# Altium PCB V5+_BASE_RC01.PcbDoc (part 1 of 2) (continued)
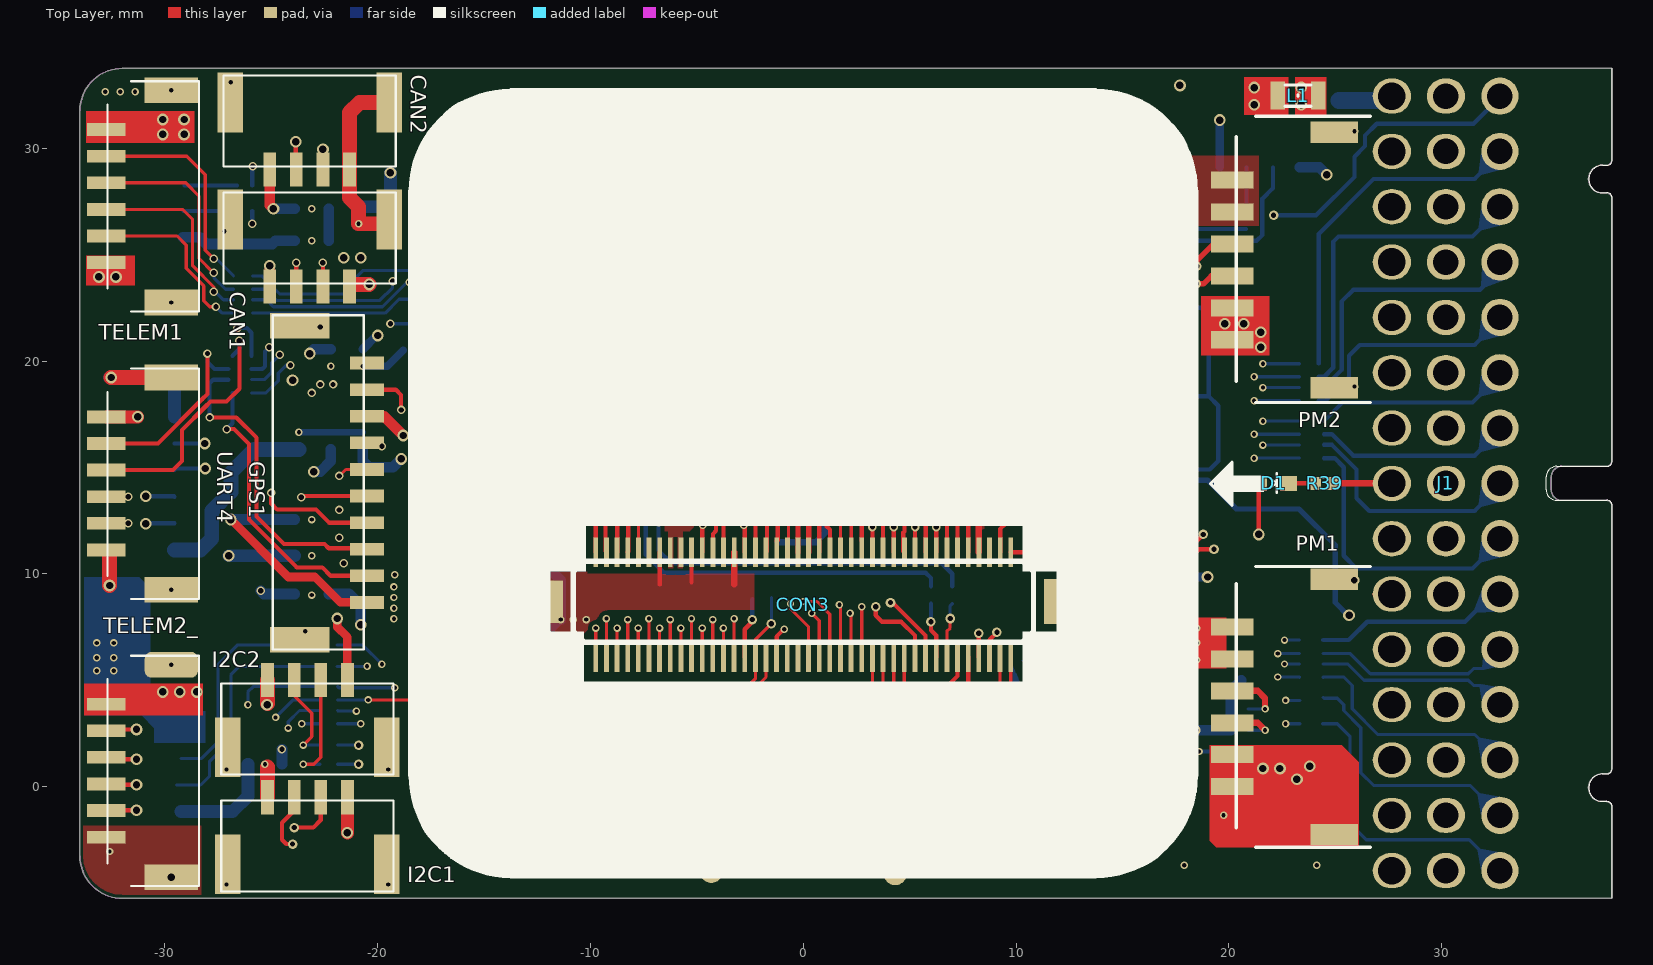
[diagram p0: Top Layer view]
## Footprints (in the part's own frame and the unit in brackets; to place one, negate y for a bottom-side part, rotate by r counter-clockwise, add the part's x,y. Pads: shape width x height; smd on the part's side, far side on the other; paste and mask are expansions set on the pad)
0402_4r [mm]
  rect 0.525x0.5 smd: 1(-0.85,-0.425) 4(0.9,-0.425) 5(0.9,0.475) 8(-0.85,0.475)
  rect 0.25x0.5 smd: 2(-0.225,-0.425) 3(0.275,-0.425) 6(0.275,0.475) 7(-0.225,0.475)
  silkscreen extent -0.93,-0.08 0.97,0.12, body extent -0.97,-0.5 1.03,0.5, height 0.45
0402C [mm]
  rect 0.5x0.6 smd: 1(-0.41,0) 2(0.41,0)
  silkscreen extent -0.1,-0.25 0.1,0.25, body extent -0.5,-0.25 0.5,0.25, height 0.5
0402CAP#1 [mm]
  rect 0.5x0.6 smd: 1(-0.45,0) 2(0.45,0)
  silkscreen extent -0.18,-0.23 0.17,0.23, body extent -0.5,-0.25 0.5,0.25, height 0.5
0402CAP#2 [mm]
  rect 0.5x0.6 smd: 1(-0.41,0) 2(0.41,0)
  silkscreen extent -0.1,-0.25 0.1,0.25, body extent -0.5,-0.25 0.5,0.25, height 0.5
0402R#1 [mm]
  rect 0.5x0.6 smd: 1(-0.41,0) 2(0.41,0)
  silkscreen extent -0.13,-0.27 0.14,0.28, body extent -0.5,-0.25 0.5,0.25, height 0.3
0402R#2 [mm]
  rect 0.5x0.6 smd: 1(-0.45,0) 2(0.45,0)
  silkscreen extent -0.13,-0.27 0.14,0.28, body extent -0.51,-0.25 0.49,0.25, height 0.3
0402R-SR [mm]
  rect 0.4x0.6 smd: 1(0,0) 2(-0.8,0) 3(0.8,0)
  body extent -0.95,-0.25 0.05,0.25, height 0.3
0603-LED-RED [mm]
  rect 0.8x0.7 smd: 1(-0.7,0) 2(0.7,0)
  silkscreen extent -0.16,-0.44 0.15,0.48, body extent -0.81,-0.37 0.81,0.43, height 0.6
0805CAP#1 [mm]
  rect 0.9x1.3 smd: 1(-0.85,-0.025) 2(0.85,-0.025)
  silkscreen extent -0.55,-0.6 0.55,0.55, body extent -1,-0.62 1,0.58, height 1.2
0805CAP#2 [mm]
  rect 0.9x1.3 smd: 1(-0.85,0) 2(0.85,0)
  silkscreen extent -0.55,-0.57 0.55,0.57, body extent -1,-0.6 1,0.6, height 1.2
0805l [mm]
  rect 0.7x1.3 smd: 1(-0.95,0.025) 2(0.95,0.025)
  silkscreen extent -0.6,-0.47 0.6,0.53, body extent -0.97,-0.6 1.03,0.65, height 0.45
1206-8 [mm]
  rect 0.35x0.65 smd: 1(-0.983,-1.027) 2(-0.333,-1.027) 3(0.317,-1.027) 4(0.967,-1.027) 5(-0.983,0.855) 6(-0.333,0.855) 7(0.317,0.855) 8(0.967,0.855)
  silkscreen extent -1.52,-1 1.53,0.83, body extent -1.56,-1.19 1.54,1.01, height 1.1
7343CAP [mm]
  rect 2x2.5 smd: A(-2.903,0) C(2.903,0)
  silkscreen extent -4.53,-2.2 4.53,2.2, body extent -3.63,-2.12 3.67,2.18, height 2.25
1054500101 [mm]
  oval 1.1x2.6 / inner oval 0.8x2.1 / far side oval 1.1x2.6 hole 0.4 slot 1.9 at 90 deg: 0(-4.32,-2.235)
  oval 1.1x2.1 / inner oval 1.1x2.1 / far side oval 0.9x1.8 hole 0.4 slot 1.4 at 90 deg: 0(-4.32,3.125) 0(4.32,3.125)
  oval 1.1x2.4 hole 0.4 slot 1.9 at 90 deg: 0(4.32,-2.235)
  rect 0.3x0.9 smd: A1(-3,3.535) A2(-2.5,3.535) A3(-2,3.535) A4(-1.5,3.535) A6(-0.5,3.535) A7(0.5,3.535) A9(1.5,3.535) A10(2,3.535) A11(2.5,3.535) A12(3,3.535)
  rect 0.25x0.9 smd: A5(-1,3.535) A8(1,3.535)
  rect 0.85x0.7 smd: B1(3.05,2.235) B12(-3.05,2.235)
  rect 0.3x0.7 smd: B2(2.25,2.235) B3(1.75,2.235) B4(1.25,2.235) B5(0.75,2.235) B6(0.25,2.235) B7(-0.25,2.235) B8(-0.75,2.235) B9(-1.25,2.235) B10(-1.75,2.235) B11(-2.25,2.235)
  body extent -4.47,-4.16 4.47,3.74, height 3.23
5054050660#1 [mm]
  rect 1.9x1 on Top Solder: 0(-2.125,4) 0(2.125,4)
  rect 0.8x2 smd: 1(-3.75,-2.1) 2(-2.25,-2.1) 3(-0.75,-2.1) 4(0.75,-2.1) 5(2.25,-2.1) 6(3.75,-2.1)
  rect 1x2.25 smd: 6(-6,2.7) 6(6,2.7)
  silkscreen extent -6.6,-1.9 6.6,4.4, body extent -6.65,-2.9 6.65,4.5, height 7.33
5054050660#2 [mm]
  rect 1.9x1 on Top Solder: 0(-2.125,4) 0(2.125,4)
  rect 0.8x2 smd: 1(-3.75,-2.1) 2(-2.25,-2.1) 3(-0.75,-2.1) 4(0.75,-2.1) 5(2.25,-2.1) 6(3.75,-2.1)
  rect 1x2.25 smd: 5(-6,2.7) 6(6,2.7)
  silkscreen extent -6.75,-1.9 6.7,4.4, body extent -6.65,-2.9 6.65,4.5, height 7.33
BM04B-GHS_DC [mm]
  rect 0.6x1.6 smd: 1(1.825,2.25) 2(0.575,2.25) 3(-0.675,2.25) 4(-1.925,2.25)
  rect 1.2x2.8 smd: M1(3.675,-0.9) M2(-3.8,-0.9)
  silkscreen extent -4.1,-2.18 4,2.1, body extent -4.17,-2.2 4.08,2.75, height 4.18
BM06B-GHS_DC#1 [mm]
  rect 0.6x1.8 smd: 1(3.125,1.25) 2(1.875,1.25) 3(0.625,1.25) 4(-0.625,1.25) 5(-1.875,1.25) 6(-3.125,1.25)
  rect 1.2x2.5 smd: M1(4.975,-1.8) M2(-5,-1.8)
  silkscreen extent -5.43,-3.1 5.4,1.2, body extent -5.39,-3.1 5.36,1.85, height 4.2
BM06B-GHS_DC#2 [mm]
  rect 0.6x1.8 smd: 1(3.125,1.25) 2(1.875,1.25) 3(0.625,1.25) 4(-0.625,1.25) 5(-1.875,1.25) 6(-3.125,1.25)
  rrect50% 1.2x2.5 smd: M1(4.975,-1.8)
  rect 1.2x2.5 smd: M2(-5,-1.8)
  silkscreen extent -5.43,-3.1 5.4,1.2, body extent -5.39,-3.1 5.36,1.85, height 4.2
BM10B-GHS [mm]
  rect 0.6x1.6 smd: 1(-5.596,-0.994) 2(-4.346,-0.994) 3(-3.096,-0.994) 4(-1.846,-0.994) 5(-0.596,-0.994) 6(0.654,-0.994) 7(1.904,-0.994) 8(3.154,-0.994) 9(4.404,-0.994) 10(5.654,-0.994)
  rect 1.2x2.8 smd: M1(-7.346,2.156) M2(7.404,2.156)
  silkscreen extent -7.8,-0.84 7.9,3.43, body extent -7.82,-1.43 7.93,3.52, height 4.23
CUAV_G [mm]
  Top Layer drawing of 1079 lines, arcs and shapes, not listed
DF17(3.0H)-80DS-0.5V(57) [mm] "DF17(3.0H)-80DS-0.5V(57)"
  rect 0.225x1.4 smd: 1(9.752,2.309) 2(9.252,2.309) 3(8.752,2.309) 4(8.252,2.309) 5(7.752,2.309) 6(7.252,2.309) 7(6.752,2.309) 8(6.252,2.309) 9(5.752,2.309) 10(5.252,2.309) 11(4.752,2.309) 12(4.252,2.309) 13(3.752,2.309) 14(3.252,2.309) 15(2.752,2.309) 16(2.252,2.309) 17(1.752,2.309) 18(1.252,2.309) 20(0.252,2.309) 21(-0.248,2.309) 22(-0.748,2.309) 23(-1.248,2.309) 24(-1.748,2.309) 25(-2.248,2.309) 26(-2.748,2.309) 27(-3.248,2.309) 28(-3.748,2.309) 29(-4.248,2.309) 30(-4.748,2.309) 31(-5.248,2.309) 32(-5.748,2.309) 33(-6.248,2.309) 34(-6.748,2.309) 35(-7.248,2.309) 36(-7.748,2.309) 37(-8.248,2.309) 38(-8.748,2.309) 39(-9.248,2.309) 40(-9.748,2.309) 41(-9.752,-2.608) 42(-9.252,-2.608) 43(-8.752,-2.608) 44(-8.252,-2.608) 45(-7.752,-2.608) 46(-7.252,-2.608) 47(-6.752,-2.608) 48(-6.252,-2.608) 49(-5.752,-2.608) 50(-5.252,-2.608) 51(-4.752,-2.608) 52(-4.252,-2.608) 53(-3.752,-2.608) 54(-3.252,-2.608) 55(-2.752,-2.608) 56(-2.252,-2.608) 57(-1.752,-2.608) 58(-1.252,-2.608) 59(-0.752,-2.608) 60(-0.252,-2.608) 61(0.248,-2.608) 62(0.748,-2.608) 63(1.248,-2.608) 64(1.748,-2.608) 65(2.248,-2.608) 66(2.748,-2.608) 67(3.248,-2.608) 68(3.748,-2.608) 69(4.248,-2.608) 70(4.748,-2.608) 71(5.248,-2.608) 72(5.748,-2.608) 73(6.248,-2.608) 74(6.748,-2.608) 75(7.248,-2.608) 76(7.748,-2.608) 77(8.248,-2.608) 78(8.748,-2.608) 79(9.248,-2.608) 80(9.748,-2.608)
  rect 0.225x1.3 smd: 19(0.752,2.309)
  rect 1.4x2 smd: PAD(-12.002,-0.008)
  rect 1.422x2.108 smd: PAD(12.012,-0.008)
  silkscreen extent -12.5,-2.41 12.52,2.4, body extent -12.49,-2.86 12.51,2.84, height 3
KNH16 [mm]
  rect 0.6x0.7 smd: 1(-0.8,0) 2(0.8,0)
  rect 0.4x1.1 smd: 3(0,0)
  silkscreen extent -0.8,-0.4 0.81,0.41, body extent -0.5,-0.25 0.5,0.25, height 0.35
MIC5530 [mm] "QFN, 8-Leads, Body 2.0x2.0mm (max), Pitch 0.00mm, Pitch1 0.50mm, IPC Medium Density"
  oval 0.65x0.225 smd: 1(-1,0.75) 2(-1,0.25) 3(-1,-0.25) 4(-1,-0.75) 5(1,-0.75) 6(1,-0.25) 7(1,0.25) 8(1,0.75)
  rrect50% 0.5x1.5 smd: 2(0,0)
  silkscreen extent -1.37,-1 1,1.42, body extent -1,-1 1,1, height 0.85
QFN8_0.65 [mm]
  rect 1.25x2.3 smd: 0(0,0)
  oval 0.65x0.3 smd: 1(-1.475,0.975) 2(-1.475,0.325) 3(-1.475,-0.325) 4(-1.475,-0.975) 5(1.475,-0.975) 6(1.475,-0.325) 7(1.475,0.325) 8(1.475,0.975)
  silkscreen extent -2.23,-1.65 1.65,1.72, body extent -1.6,-1.5 1.6,1.5, height 0.63
QFN24 [mm]
  rect 0.7x0.25 smd: 1(-1.9,1.25) 2(-1.9,0.75) 3(-1.9,0.25) 4(-1.9,-0.25) 5(-1.9,-0.75) 6(-1.9,-1.25) 13(1.9,-1.25) 14(1.9,-0.75) 15(1.9,-0.25) 16(1.9,0.25) 17(1.9,0.75) 18(1.9,1.25)
  rect 0.25x0.7 smd: 7(-1.25,-1.9) 8(-0.75,-1.9) 9(-0.25,-1.9) 10(0.25,-1.9) 11(0.75,-1.9) 12(1.25,-1.9) 19(1.25,1.9) 20(0.75,1.9) 21(0.25,1.9) 22(-0.25,1.9) 23(-0.75,1.9) 24(-1.25,1.9)
  rect 2x2 smd: 24(0,0)
  silkscreen extent -2,-1.9 2,2, body extent -2,-1.95 2,2.05, height 1
R0402 [mm]
  rect 0.5x0.6 smd: 1(-0.45,0) 2(0.45,0)
  silkscreen extent -0.13,-0.27 0.14,0.28, body extent -0.5,-0.25 0.5,0.25, height 0.3
SM03B-GHS-DC [mm]
  rect 0.6x1.6 smd: 1(-1.25,2.5) 2(0,2.5) 3(1.25,2.5)
  rect 1.2x2.6 smd: M1(3.1,-0.65) M2(-3.125,-0.65)
  silkscreen extent -3.43,-1.92 3.43,2.35, body extent -3.5,-2 3.5,2.85, height 4.25
SM04B-GHS-DC#1 [mm]
  rect 0.6x1.6 smd: 1(-1.925,2.25) 2(-0.675,2.25) 3(0.575,2.25) 4(1.825,2.25)
  rect 1.2x2.6 smd: M1(-3.8,-0.9) M2(3.675,-0.9)
  silkscreen extent -4.1,-2.18 4,2.1, body extent -4.18,-2.3 4.07,2.55, height 4.35
SM04B-GHS-DC#2 [mm]
  rect 0.6x1.6 smd: 1(-1.925,2.25) 2(-0.675,2.25) 3(0.575,2.25) 4(1.825,2.25)
  rect 1.2x2.8 smd: M1(3.675,-0.9) M2(-3.8,-0.9)
  silkscreen extent -4.1,-2.18 4,2.1, body extent -4.18,-2.3 4.07,2.55, height 4.35
SM04B-GHS-DC#3 [mm]
  rect 0.6x1.6 smd: 1(-1.925,2.25) 2(-0.675,2.25) 3(0.575,2.25) 4(1.825,2.25)
  rect 1.2x2.4 smd: M1(3.675,-0.9)
  rrect50% 1.2x2.4 smd: M2(-3.8,-0.9)
  silkscreen extent -4.1,-2.18 4,2.1, body extent -4.18,-2.3 4.07,2.55, height 4.35
SM05B-GHS-TBT [mm]
  rect 0.6x1.8 smd: 1(-2.488,1.25) 2(-1.238,1.25) 3(0.012,1.25) 4(1.262,1.25) 5(2.512,1.25)
  rect 1.2x2.5 smd: M1(-4.363,-1.8) M2(4.363,-1.8)
  silkscreen extent -4.79,-3.1 4.79,1.2, body extent -4.75,-3.05 4.75,1.8, height 4.35
SM06B-GHS-DC [mm]
  rect 0.6x1.8 smd: 1(-3.125,1.25) 2(-1.875,1.25) 3(-0.625,1.25) 4(0.625,1.25) 5(1.875,1.25) 6(3.125,1.25)
  rect 1.2x2.4 smd: M1(-5,-1.8) M2(4.975,-1.8)
  silkscreen extent -5.43,-3.1 5.4,1.2, body extent -5.37,-2.97 5.38,1.88, height 4.35
SM07B-GHS_DC [mm] "dronecode"
  rect 0.6x1.6 smd: 1(-3.75,0) 2(-2.5,0) 3(-1.25,0) 4(0,0) 5(1.25,0) 6(2.5,0) 7(3.75,0)
  rect 1.2x2.6 smd: M1(-5.5,-2.95) M2(5.5,-2.95)
  silkscreen extent -6,-4.22 6.02,-0.1, body extent -6,-4.35 6,0.5, height 4.35
TP0.75 [mm]
  round 1 smd: 0(0,0)
V5_IO_PWM [mm]
  round 1.75 hole 1.2: 1(-18.2,2.54) 2(-15.6,2.54) 3(-13,2.54) 4(-10.4,2.54) 5(-7.8,2.54) 6(-5.2,2.54) 7(-2.6,2.54) 8(0,2.54) 9(2.6,2.54) 10(5.2,2.54) 11(7.8,2.54) 12(10.4,2.54) 13(13,2.54) 14(15.6,2.54) 15(18.2,2.54)
  oval 1.65x1.8 hole 1.3: GND(-18.2,-2.54) GND(-15.6,-2.54) GND(-13,-2.54) GND(-10.4,-2.54) GND(-7.8,-2.54) GND(-5.2,-2.54) GND(-2.6,-2.54) GND(0,-2.54) GND(2.6,-2.54) GND(5.2,-2.54) GND(7.8,-2.54) GND(10.4,-2.54) GND(13,-2.54) GND(15.6,-2.54) GND(18.2,-2.54)
  oval 1.65x1.8 hole 1.2: RC_VCC(-18.2,0) "SERVO VCC"(-15.6,0) "SERVO VCC"(-13,0) "SERVO VCC"(-10.4,0) "SERVO VCC"(-7.8,0) "SERVO VCC"(-5.2,0) "SERVO VCC"(-2.6,0) "SERVO VCC"(0,0) "SERVO VCC"(2.6,0) "SERVO VCC"(5.2,0) "SERVO VCC"(7.8,0) "SERVO VCC"(10.4,0) "SERVO VCC"(13,0) "SERVO VCC"(15.6,0) "SERVO VCC"(18.2,0)
  silkscreen extent -19.5,4.71 19.5,7.82, body extent -19.5,-2.88 19.5,18.85, height 7.9
"VSSOP (8)" [mm] "DCU"
  oval 0.8x0.25 smd: 1(-1.5,0.75) 2(-1.5,0.25) 3(-1.5,-0.25) 4(-1.5,-0.75) 5(1.5,-0.75) 6(1.5,-0.25) 7(1.5,0.25) 8(1.5,0.75)
  silkscreen extent -1.42,-1.05 0.8,1.53, body extent -1.55,-1.05 1.55,1.05, height 0.9

## Part data
C1: library part "Cap Pol1", "T520D476M016ATE070"
C2 C6: library part Cap, "0805 22UF 25V"
C3: library part Cap, "0402 10NF 50V 10%"
C4 C5 C7 C9 C12 C13 C18: library part Cap, "0402 100NF 50V 10%"
C8 C10 C11 C16: library part Cap
C14 C17 C19: library part Cap, "0805 47UF 16V"
C29 C30 C31 C32: library part Cap, "47uf/16V 0805"
C45 C47: library part Cap, "0402 100nf 50V 10%"
CAN1 CAN2 I2C1 I2C2: library part BM04-GHS
D1: library part 0603_LED_RED, "0603_LED_RED"
GPS1: library part BM10B-GHS
I2C3 I2C4: library part SM04B-GHS-TB
J2 J3: library part SJP
L1: library part 0402R100R, "0805 500ma 6V"
PM1 PM2: library part 5054050660
R1 R2 R3 R4 R6 R7 R8 R9 R10 R11 R12: library part Res2
R5: library part Res2, "Resistor"
R13 R22 R29: library part 0402R100R, "0402R100R 1%"
R15 R16 R18: library part 0402-8R-4R, "0402*4 100R 1%"
R17 R20 R28 R30 R32 R33 R34 R35 R36 R37 R38: "0402R100R 1%"
R19: "0402R1K 1%"
R23 R24 R27: library part 0402-8R-4R
R25: library part 0402R1K
R31: library part 0402R1K, "0402R10K 1%"
R39: "0402R200 1%"
R60: library part 0402R1K, "0402R200K 1%"
R61 R62: library part 0402R1K, "0402R4.7K 1%"
SPI5: library part SM07B-GHS-TB
TELEM1 TELEM2_ UART4: library part BM06B-GHS
TP3: library part TP_0.75, "TP_0.75MM"
U5: library part MIC5530

## Free pads (board coordinates)
  round 2.8 / inner round 0 / far side round 5 hole 2.6 mask+0.102: 0(-14.25,0)
  round 2.8 / inner round 0 / far side round 5 hole 2.6: 0(-14.25,28.5) 0(14.25,0) 0(14.25,28.5)
  round 1 smd far side: 3(-21.3,29.85) 6(21.5,9.05)
  round 1.5 smd far side: 8(27.66,32.45)
  rect 5x4 on Bottom Overlay: 9(-25.75,-3.25) 9(-25.75,31.75)
  rect 4x4 on Bottom Overlay: 9(35.95,-3.25) 9(35.95,31.75)

## Via types
v1: diameter 0.35, hole 0.2, Top Layer to Bottom Layer, tented both sides, 105 vias
v2: diameter 0.55, hole 0.35, Top Layer to Bottom Layer, tented both sides, 90 vias
v3: diameter 0.45, hole 0.25, Top Layer to Bottom Layer, tented both sides, 82 vias
v4: diameter 0.4, hole 0.25, Top Layer to Bottom Layer, tented both sides, 67 vias
v5: diameter 0.4, hole 0.2, Top Layer to Bottom Layer, tented both sides, 20 vias
v6: diameter 0.65, hole 0.65, Top Layer to Bottom Layer, tented both sides, 2 vias
v7: diameter 0.5, hole 0.3, Top Layer to Bottom Layer, tented top, 1 vias
v8: diameter 0.3, hole 0.2, Top Layer to Bottom Layer, tented both sides, 1 vias

## Nets (pads, with @x,y where several pads share a name; then routed paths per layer and width w, separated by ;. In a path a pad name is that pad's centre, name@x,y a point inside that pad or via, vN(x,y) a via of type N, cw(c..) or ccw(c..) an arc to the next point about the centre after c; other vN are vias at no path point)
3V3_ADC: ADC3/5.2 R19.2 | length 2
  Bottom Layer w0.2: R19.2@20.825,27.125 ADC3/5.2@20.825,29.1
5V_OUT1: C30.1 L3.1 L4.1 TELEM1.1 TELEM2_.1 U10.6 U10.7
  other v2: -30.1,4.45 -29.3,4.45 -28.5,4.45 -30.1,30.65 -29.1,30.65 -30.1,31.35 -29.1,31.35
  other v4: -21.6,10.5 -21.8,11.7 -21.8,13
5V_OUT1_EN: R25.1 U10.4 | length 1
  Bottom Layer w0.2: U10.4@-14.125,12.875 R25.1@-13.175,12.875
5V_OUT2: C32.1 L2.1 L5.1 L6.1 L8.1 L9.1 L10.1 L13.2 L14.1 L15.1 U11.6 U11.7 | length 30.9
  S1 w0.5: v4(-24.5,1.75) -24.5,0.45 -24.2,0.15 -23,0.15 -22.2,0.95 -22.2,4.5 -25.3,7.6 -27,7.6 -27.725,8.325 -27.725,11.325 -27.475,11.575 -26.275,11.575 -25.7,12.15 -25.7,15.86 -22.66,18.9 v4(-22.1,18.9)
  Bottom Layer w0.5: L14.1@-24.5,1.05 v4(-24.5,1.75) ; L8.1@-22.3,25.65 L10.1@-22.3,27.15
  other v2: -21.6,24.85 -20.8,24.85
  other v4: -23.1,18.5 -22.7,18.9
5V_OUT2_EN: R31.1 U11.4 | length 1.2
  Bottom Layer w0.15: U11.4@-14.125,17.875 R31.1@-12.965,17.875
ADC1_SPARE_1_3.3V: CON3.12 R19.1 | length 28.5
  Top Layer w0.2: CON3.12@4.252,11.009 v4(4.252,12.198)
  S2 w0.2: v4(4.252,12.198) 4.252,13.248 4,13.5 4,14.1 5.475,15.575 12.433,15.575 14.4,17.542 14.4,19.4 15.65,20.65 15.65,24.8 v3(16.5,25.65)
  Bottom Layer w0.2: v3(16.5,25.65) 17.05,26.2 R19.1@20.8,26.2
ADC1_SPARE_2_6.6V: ADC3/5.3 CON3.11 | length 31.8
  Top Layer w0.2: v4(4.7,13.95) 4.752,13.898 4.752,11.991 4.7,11.94 4.7,11.061 CON3.11@4.752,11.009
  S2 w0.2: v4(4.7,13.95) 5.975,15.225 12.578,15.225 14.75,17.397 14.75,19.255 16,20.505 16,24.55 16.575,25.125 17.075,25.125 v3(17.2,25.25)
  Bottom Layer w0.2: v3(17.2,25.25) 17.2,25.45 17.4,25.65 21.3,25.65 21.575,25.925 21.575,27.625 22.075,28.125 ADC3/5.3@22.075,29.1
ADC_VCC2: ADC3/5.1 L13.1 | length 53
  POWER w0.4: v2(-20,21.2) -19.95,21.15 -17.95,21.15 -16.9,22.2 -16.9,31.25 -16.075,32.075 18.9,32.075 19.575,31.4 v2(19.575,31.325)
  Bottom Layer w0.4: L13.1@-20.7,20.55 -20.05,21.2 v2(-20,21.2) ; ADC3/5.1@19.575,29.1 v2(19.575,31.325)
AUX1: J1.10 R27.5 | length 9.2
  Bottom Layer w0.15: J1.10@32.348,8.998 J1.10@32.799,8.998
  Bottom Layer w0.2: R27.5@24.438,6.886 25.636,6.886 26.5,7.75 31.1,7.75 J1.10@32.348,8.998
AUX2: J1.11 R27.6 | length 9.2
  Bottom Layer w0.15: R27.6@24.438,6.261 25.689,6.261 26.65,5.3 31.25,5.3 31.5,5.55 31.951,5.55 J1.11@32.799,6.398
AUX3: J1.12 R27.7 | length 9.2
  Bottom Layer w0.15: R27.7@24.438,5.76 25.59,5.76 26.35,5 31.25,5 31.5,4.75 31.848,4.75 J1.12@32.799,3.798
AUX4: J1.13 R27.8 | length 10.6
  Bottom Layer w0.15: R27.8@24.438,5.136 24.453,5.15 25.4,5.15 25.8,4.75 25.8,3.65 27,2.45 31.548,2.45 J1.13@32.799,1.198
AUX5: J1.14 R28.2 | length 12.1
  Bottom Layer w0.15: 24.438,4.186 24.474,4.15 25.1,4.15 25.4,3.85 25.4,3.574 26.2,2.774 26.2,0.65 26.8,0.05 31.348,0.05 J1.14@32.799,-1.402
AUX6: J1.15 R17.2 | length 13.7
  Bottom Layer w0.15: 24.41,2.95 25.1,2.95 25.7,2.35 25.7,-1.75 26.45,-2.5 31.29,-2.5 J1.15@32.74,-3.95 ; J1.15@32.744,-3.946 J1.15@32.799,-4.002
AUX_BATT_CURRENT/SCL: J2.1 PM2.3 | length 4.9
  Top Layer w0.25: v3(18.5,24.45) 18.5,24.725 19.275,25.5 PM2.3@20.15,25.5
  Bottom Layer w0.25: v3(17.25,22.5) 17.25,23.5 18.2,24.45 v3(18.5,24.45)
AUX_BATT_VOLTAGE/SDA: J3.1 PM2.4 | length 5.5
  Top Layer w0.25: v3(18.475,23.625) 18.8,23.625 19.175,24 PM2.4@20.15,24
  S1 w0.4: v3(17.25,21) 18.15,21 18.475,21.325 v3(18.475,23.625)
BAT1_I_IN: C35.1 CON3.25 PM1.3 | length 39.4
  Top Layer w0.2: CON3.25@-2.248,11.009 -2.248,13.202 v4(-2.2,13.25)
  Top Layer w0.3: PM1.3@20.15,4.5 21.35,4.5 21.7,4.15 v1(21.7,3.65)
  S1 w0.2: v4(-2.2,13.25) -2.2,14.505 -1.555,15.15 14.305,15.15 17.65,11.805 17.65,4.995 18.545,4.1 20.745,4.1 21.195,3.65 v1(21.7,3.65)
  Bottom Layer w0.15: C35.1@20.91,3.65 v1(21.7,3.65)
BAT1_V_IN: C36.1 CON3.24 PM1.4 | length 38.5
  Top Layer w0.2: CON3.24@-1.748,11.009 -1.7,11.057 -1.7,13.457 v4(-1.7,14.25)
  Top Layer w0.3: PM1.4@20.15,3 21.35,3 v1(21.7,2.65)
  S1 w0.2: v4(-1.7,14.25) -1.7,14.4 -1.3,14.8 14.16,14.8 17.3,11.66 17.3,4.85 18.4,3.75 20.6,3.75 v1(21.7,2.65)
  Bottom Layer w0.15: C36.1@20.91,2.65 v1(21.7,2.65)
BAT2_I_IN: C37.2 CON3.23 J2.3 | length 27.1
  Top Layer w0.2: CON3.23@-1.25,11.525 -1.2,11.575 v4(-1.2,13.65)
  S2 w0.25: v4(-1.2,13.65) 0.05,13.65 1.35,14.95 4.216,14.95 5.266,16 12.328,16 14,17.672 14,19.7 15.1,20.8 v1(15.1,22.55)
  Bottom Layer w0.15: v1(15.1,22.55) 16.4,22.55 J2.3@16.45,22.5 J2.3@16.46,22.51
  Bottom Layer w0.2: C37.2@-1.2,12.31 v4(-1.2,13.65)
BAT2_V_IN: C38.2 CON3.22 J3.3 | length 27.5
  Top Layer w0.15: CON3.22@-0.748,11.009 -0.7,11.057 -0.725,11.082 -0.7,11.107 v4(-0.7,14.25)
  S2 w0.25: v4(-0.7,14.25) -0.15,14.25 1.1,15.5 4.1,15.5 5.1,16.5 12.262,16.5 13.5,17.738 13.5,19.916 14.5,20.916 v1(14.5,21.45)
  Bottom Layer w0.15: v1(14.5,21.45) 15.958,21.45 J3.3@16.485,20.923 ; J3.3@16.485,20.955 J3.3@16.485,20.923 ; J3.3@16.495,20.934 J3.3@16.485,20.923
  Bottom Layer w0.25: v4(-0.7,14.25) -0.2,13.75 C38.2@-0.2,12.31 ; J3.3@16.45,21 J3.3@16.49,20.96
BUZZER_1: CON3.8 GPS1.9 | length 46.2
  Top Layer w0.2: GPS1.9@-20.506,18.654 -19.154,18.654 -18.9,18.4 v4(-18.9,17.7) ; CON3.8@6.252,11.009 v4(6.252,12.198)
  S1 w0.2: v4(-18.9,17.7) -20,17.7 -20.3,17.4 -20.3,15.3 -18.795,13.795 -18.795,11.34 -17.675,10.22 -17.675,6.58 -16.495,5.4 0.616,5.4 2.541,7.325 4.725,7.325 5.45,8.05 5.45,11.05 6.252,11.852 v4(6.252,12.198)
CAN1_VCC: CAN1.1 L6.2 | length 7
  Top Layer w0.5: CAN1.1@-25.075,23.5 v2(-25.075,24.475)
  S2 w0.5: v2(-25.075,24.475) -25.075,22.225 v2(-23.2,20.35)
  Bottom Layer w0.5: v2(-23.2,20.35) -23,20.55 L6.2@-22.2,20.55
CAN2_VCC: CAN2.1 L10.2 | length 2.9
  Top Layer w0.5: CAN2.1@-25.075,29 -25.075,27.325 v2(-24.9,27.15)
  Bottom Layer w0.5: v2(-24.9,27.15) L10.2@-23.9,27.15
CAN_H_1: CAN1.2 CON3.19 | length 38
  Top Layer w0.2: CAN1.2@-23.825,23.5 v4(-23.825,24.625) ; v4(-4.5,15.375) -4.5,15.85 -4,16.35 -3.093,16.35 -2.293,15.55 -0.162,15.55 0.752,14.637 CON3.19@0.752,11.009
  S2 w0.2: v4(-23.825,24.625) -23.825,24.85 -23.575,25.1 -22.845,25.1 -22.07,25.875 -17.359,25.875 -15.759,24.275 -13.105,24.275 -12.05,23.22 -12.05,20.995 -10.15,19.095 -10.15,18.55 -10.15,18.295 -8.63,16.775 -7.6,16.775 -5,16.775 -4.5,16.275 v4(-4.5,15.375)
CAN_H_2: CAN2.2 CON3.21 | length 39.3
  Top Layer w0.2: CAN2.2@-23.85,29.025 v2(-23.85,30.3)
  Top Layer w0.25: v4(-3.9,14.5) -3.625,14.775 -0.483,14.775 -0.148,14.441 -0.148,12.934 -0.248,12.834 CON3.21@-0.248,11.009
  S2 w0.15: v2(-23.85,30.3) -23.85,28.275 -23.45,27.875 -21.35,27.875 -19.675,26.2 -17.224,26.2 -15.624,24.6 -12.97,24.6 -11.725,23.355 -11.725,21.13 -9.825,19.23 -9.825,18.43 -8.495,17.1 -7.465,17.1 -4.7,17.1 -3.9,16.3 v4(-3.9,14.5)
CAN_L_1: CAN1.3 CON3.18 | length 36.1
  Top Layer w0.2: CAN1.3@-22.575,23.5 v4(-22.575,24.625) ; v4(-5.1,16) -5.05,15.95 -5.05,16.2 -4.55,16.7 -2.948,16.7 -2.148,15.9 -0.017,15.9 1.102,14.782 1.102,12.225 1.252,12.075 CON3.18@1.252,11.009
  S2 w0.2: v4(-22.575,24.625) -22.575,24.875 -21.925,25.525 -17.504,25.525 -15.904,23.925 -13.25,23.925 -12.4,23.075 -12.4,20.85 -10.5,18.95 -10.5,18.15 -8.775,16.425 -8.2,16.425 -5.525,16.425 v4(-5.1,16)
CAN_L_2: CAN2.3 CON3.20 | length 36.5
  Top Layer w0.15: CAN2.3@-22.575,29 v2(-22.575,29.95)
  Top Layer w0.25: v4(-3.3,15.85) -2.625,15.175 -0.317,15.175 0.252,14.607 CON3.20@0.252,11.009
  S2 w0.15: v2(-22.575,29.95) -22.575,28.625 -22.125,28.175 -21.226,28.175 -19.551,26.5 -17.1,26.5 -15.5,24.9 -12.846,24.9 -11.425,23.479 -11.425,21.254 -9.525,19.354 -9.525,18.554 -8.371,17.4 -7.341,17.4 -4.5,17.4 -3.3,16.2 v4(-3.3,15.85)
D1_3V3: C16.2 C17.1 C45.2 C47.2 L7.1 R60.2 R61.2 R62.2 U5.8 U17.2 U17.7 | length 106.7
  POWER w0.3: v1(17.5,16.1) 17.5,9 17.9,8.6 22.1,8.6 22.65,8.05 v2(25.65,8.05)
  S2 w0.4: v3(-16.45,7.05) -16.45,3 -16.1,2.65 -9.6,2.65 -8.45,3.8 -1.05,3.8 3.6,-0.85 10.022,-0.85 12.072,-2.9 24.85,-2.9 25.65,-2.1 v2(25.65,8.05)
  S2 w0.5: v2@-20.825,7.575 -20.3,7.05 v3(-16.45,7.05)
  Bottom Layer w0.15: C47.2@15.2,17.422 C47.2@15.264,17.486 16.178,18.4 R60.2@16.3,18.4 16.4,18.4 17.3,17.5 R61.2@18.275,17.5 ; v1(17.5,16.1) R62.2@17.5,17.45
  Bottom Layer w0.25: C45.2@15.2,11.66 U17.2@15.2,13.075 15.2,14.1 15.5,14.4 19,14.4 20.35,13.05 23.3,13.05 25,11.35 25,8.65 25.6,8.05 v2(25.65,8.05) ; U17.7@15.2,16.075 C47.2@15.2,17.422
  Bottom Layer w0.5: L7.1@-22.3,9.05 -21.35,9.05 -20.8,8.5 v2(-20.8,7.6)
DEBUG_RX: CON3.6 DSU7.3 | length 97.8
  Top Layer w0.2: v3(6.5,13.65) 6.959,13.65 7.252,13.357 CON3.6@7.252,11.009
  S2 w0.2: v2(-30.9,13.65) -27.445,13.65 -27.42,13.625 -26.5,14.545 -26.5,19.25 -27.5,20.25 -27.5,21.85 -27,22.35 -27,25.05 -26.5,25.55 -25.3,25.55 -24.325,26.525 -24.325,27.475 -25.1,28.25 -25.1,30.97 -24.42,31.65 14.945,31.65 18.175,28.42 18.175,24.988 17.75,24.563 17.75,23.5 18.85,22.4 18.85,19.9 17.65,18.7 17.043,18.7 12.768,14.425 6.825,14.425 6.5,14.1 v3(6.5,13.65)
  Bottom Layer w0.2: v2(-30.9,13.65) -29.575,13.65 DSU7.3@-29.55,13.625
DEBUG_TX: CON3.7 DSU7.2 | length 98
  Top Layer w0.2: CON3.7@6.752,11.009 v4(6.752,12.85)
  S2 w0.2: v2(-30.9,12.35) -29.975,13.275 -27.275,13.275 -26.15,14.4 -26.15,19.395 -27.15,20.395 -27.15,21.705 -26.65,22.205 -26.65,24.8 -26.325,25.125 -25.23,25.125 -23.9,26.455 -23.9,27.59 -24.75,28.44 -24.75,30.825 -24.275,31.3 14.8,31.3 17.825,28.275 17.825,25.133 17.4,24.708 17.4,23.355 18.5,22.255 18.5,20.045 17.505,19.05 16.898,19.05 12.623,14.775 6.175,14.775 5.975,14.575 5.975,13.334 6.459,12.85 v4(6.752,12.85)
  Bottom Layer w0.2: v2(-30.9,12.35) -30.95,12.35 -30.975,12.375 DSU7.2@-29.55,12.375
DSM&SBUS: DSM_SBUS_RSSI.2 R22.2 | length 2.4
  Bottom Layer w0.15: R22.2@-7.737,26.698 DSM_SBUS_RSSI.2@-7.737,29.1
DSM&SBUS_IN: CON3.56 R13.1 R22.1 | length 46.6
  Top Layer w0.15: v3(-7.7,24.05) -8.8,24.05 -9.8,23.05 -9.8,18.35 -11.7,16.45 -16.276,16.45 -17.2,15.526 -17.2,6.35 -15.55,4.7 -2.624,4.7 -2.252,5.072 -2.252,6.898 v3(-1.5,7.65)
  Bottom Layer w0.15: v3(-7.7,24.05) -7.7,25.64 R22.1@-7.6,25.74 ; v3(-1.5,7.65) R13.1@-1.5,8.89
DSM_3V3: C13.1 C14.1 L11.1 U5.7 | length 40.1
  Top Layer w0.4: v3(-14.9,3.55) -15.65,3.55 -17.925,5.825 -17.925,15.826 -16.576,17.175 -12,17.175 -10.525,18.65 -10.525,23.35 -8.9,24.975 -5.975,24.975 -5.6,24.6 -5.6,22.35 -5.9,22.05 v2(-6.7,22.05)
  Bottom Layer w0.4: v2(-6.7,22.05) -6.7,22.65 -5.2,24.15 L11.1@-5.2,25.05
  other v3: -15.575,3.55
FMU_CH1-PROT: CON3.54 R27.4 | length 30.7
  Top Layer w0.15: CON3.54@-3.252,6.092 v1(-3.252,7.898)
  S2 w0.15: v1(-3.252,7.898) -3.252,7.252 -2.717,6.717 5.609,6.717 6.276,6.05 9.276,6.05 10.276,5.05 19.503,5.05 20.813,6.36 21.21,6.36 21.736,6.886 v1(22.614,6.886)
  Bottom Layer w0.15: v1(22.614,6.886) R27.4@23.325,6.886
FMU_CH2-PROT: CON3.53 R27.3 | length 30.3
  Top Layer w0.15: CON3.53@-3.752,6.092 v1(-3.752,7.45)
  S2 w0.15: v1(-3.752,7.45) -3.752,7.152 -3.017,6.417 5.485,6.417 6.151,5.75 9.151,5.75 10.151,4.75 19.627,4.75 20.938,6.06 21.335,6.06 21.524,6.25 v1(22.3,6.25)
  Bottom Layer w0.15: v1(22.3,6.25) R27.3@23.325,6.25
FMU_CH3-PROT: CON3.52 R27.2 | length 31.7
  Top Layer w0.15: CON3.52@-4.252,6.092 v1(-4.252,7.85)
  S2 w0.15: v1(-4.252,7.85) -4.252,7.252 -4.052,7.052 -4.052,7.028 -3.141,6.117 5.36,6.117 6.027,5.45 9.027,5.45 10.027,4.45 19.751,4.45 21.062,5.76 v1(22.614,5.76)
  Bottom Layer w0.15: v1(22.614,5.76) R27.2@23.325,5.76
FMU_CH4-PROT: CON3.51 R27.1 | length 31.3
  Top Layer w0.15: CON3.51@-4.752,6.092 v1(-4.752,7.45)
  S2 w0.15: v1(-4.752,7.45) -4.752,7.303 -3.265,5.817 5.236,5.817 5.903,5.15 8.903,5.15 9.903,4.15 19.876,4.15 20.876,5.15 v1(22.3,5.15)
  Bottom Layer w0.15: v1(22.3,5.15) 23.311,5.15 R27.1@23.325,5.136
FMU_CH5-PROT: CON3.50 R28.1 | length 33.3
  Top Layer w0.15: CON3.50@-5.252,6.092 v1(-5.252,7.898)
  S2 w0.15: v1(-5.252,7.898) -5.252,7.252 -3.517,5.517 5.112,5.517 5.779,4.85 8.779,4.85 9.779,3.85 20,3.85 20.8,4.65 22.5,4.65 22.666,4.484 v1(22.666,4.05)
  Bottom Layer w0.15: v1(22.666,4.05) R28.1@23.34,4.05
FMU_CH6-PROT: CON3.49 R17.1 | length 33.5
  Top Layer w0.15: CON3.49@-5.752,6.092 v1(-5.752,7.45)
  S2 w0.15: v1(-5.752,7.45) -5.752,7.328 -3.641,5.217 4.988,5.217 5.654,4.55 8.654,4.55 9.654,3.55 20.124,3.55 20.924,4.35 22,4.35 22.216,4.134 22.216,3.4 v1(22.666,2.95)
  Bottom Layer w0.15: v1(22.666,2.95) R17.1@23.34,2.95
FMU_RESET: CON3.3
FMU_SWCLK: CON3.2 DSU7.5 | length 101.6
  Top Layer w0.2: CON3.2@9.252,11.009 9.252,12.102 9.5,12.35 10.6,12.35 11.8,11.15 13.8,11.15 18.1,11.15 v3(18.8,11.85)
  S2 w0.2: v2(-28.125,16.125) -28.7,16.7 -28.7,25.55 -27.4,26.85 -27.4,30.155 -24.855,32.7 15.38,32.7 18.03,30.05 22.39,30.05 23.375,29.065 23.375,15.02 21.955,13.6 19.55,13.6 18.8,12.85 v3(18.8,11.85)
  Bottom Layer w0.2: DSU7.5@-29.55,16.125 v2(-28.125,16.125)
FMU_SWDIO: CON3.1 DSU7.4 | length 103.2
  Top Layer w0.2: CON3.1@9.752,11.009 11.141,11.009 11.5,10.65 18.1,10.65 18.6,11.15 v3(19.3,11.15)
  S2 w0.2: v2(-28.1,14.95) -28.1,15.287 -29.05,16.237 -29.05,25.695 -27.75,26.995 -27.75,30.3 -25,33.05 15.525,33.05 18.175,30.4 22.535,30.4 23.725,29.21 23.725,14.875 22.1,13.25 19.7,13.25 19.325,12.875 19.325,11.175 v3(19.3,11.15)
  Bottom Layer w0.2: DSU7.4@-29.55,14.875 -29.475,14.95 v2(-28.1,14.95)
GND: ADC3/5.4 ADC3/5.M1 ADC3/5.M2 C1.C C2.1 C3.1 C4.1 C5.1 C6.1 C7.2 C8.2 C9.2 C10.2 C11.2 C12.2 C13.2 C14.2 C16.1 C17.2 C18.2 C19.2 C29.2 C30.2 C31.2 C32.2 C35.2 C36.2 C37.1 C38.1 C45.1 C47.1 CAN1.4 CAN1.M1 CAN1.M2 CAN2.4 CAN2.M1 CAN2.M2 CON3.4 CON3.27 CON3.31 CON3.34 CON3.PAD DSM_SBUS_RSSI.5 DSM_SBUS_RSSI.M1 DSM_SBUS_RSSI.M2 DSU7.6 DSU7.M1 DSU7.M2 GPS1.10 GPS1.M1 GPS1.M2 I2C1.4 I2C1.M1 I2C1.M2 I2C2.4 I2C2.M1 I2C2.M2 I2C3.4 I2C3.M1 I2C3.M2 I2C4.4 I2C4.M1 I2C4.M2 J1.GND L2.3 L3.3 L4.3 L5.3 L6.3 L7.3 L8.3 L9.3 L10.3 L11.3 L12.3 L13.3 L14.3 L15.3 pad.0 pad.8 PM1.5 PM1.6 PM2.5 PM2.6 R7.1 R8.1 R9.1 R39.2 SBUS_OUT.3 SBUS_OUT.M1 SBUS_OUT.M2 SPI5.7 SPI5.M1 SPI5.M2 TELEM1.6 TELEM1.M1 TELEM1.M2 TELEM2_.6 TELEM2_.M1 TELEM2_.M2 TP3.0 U3.10 U3.24 U5.2 U10.0 U10.1 U11.0 U11.1 U17.1 UART4.6 UART4.M1 UART4.M2 USB.0 USB.A1 USB.A12 USB.B1 USB.B12 | length 163.4
  Top Layer w0.2: -6.748,9.502 CON3.34@-6.748,11.009 ; -5.248,9.602 CON3.31@-5.248,11.009
  Top Layer w0.3: -3.248,9.502 CON3.27@-3.248,11.009 ; CON3.4@8.252,11.009 8.252,12.402 8.8,12.95 ; R39.2@24.85,14.35 24.95,14.25 J1.GND@27.66,14.25
  Top Layer w0.4: J1.GND@26.95,9.05 J1.GND@27.66,9.05 ; J1.GND@27.05,-1.35 J1.GND@27.66,-1.35
  Top Layer w0.7: v2(-32.6,9.45) UART4.6@-32.6,10.975 ; v2(-32.525,19.225) UART4.M1@-29.7,19.225 ; I2C1.4@-25.175,-0.5 -25.175,0.925 ; v2@-25.175,3.9 I2C2.4@-25.175,5 ; CAN1.4@-21.225,23.5 -21.125,23.6 v2(-20.4,23.6) ; CAN1.M2@-19.45,26.65 -19.65,26.45 v1(-20.9,26.45) -20.9,27.25 -21.325,27.675 CAN2.4@-21.325,29 -21.325,31.675 -20.85,32.15 CAN2.M2@-19.45,32.15
  GND w0.8: 24.2,-3.95 J1.GND@27.66,-3.95 ; 24.2,-1.35 J1.GND@27.66,-1.35 ; 24.2,1.25 J1.GND@27.66,1.25 ; 24.2,3.85 J1.GND@27.66,3.85 ; 24.2,6.45 J1.GND@27.66,6.45 ; 24.2,9.05 J1.GND@27.66,9.05 ; 24.2,11.65 J1.GND@27.66,11.65 ; 24.2,14.25 J1.GND@27.66,14.25 ; 24.2,16.85 J1.GND@27.66,16.85 ; 24.2,19.45 J1.GND@27.66,19.45 ; 24.2,22.05 J1.GND@27.66,22.05 ; 24.2,27.25 J1.GND@27.66,27.25 ; 24.2,29.85 J1.GND@27.66,29.85 ; 24.7,32.45 J1.GND@27.66,32.45 ; 25.9,24.65 J1.GND@27.66,24.65
  Bottom Layer w0.15: U3.24@-0.15,18.05 -0.15,18.7 v5(1.1,19.95) ; U3.24@1.375,20.225 C5.1@1.375,24.95
  Bottom Layer w0.2: C10.2@-4.611,19.811 -5.161,19.811 -5.6,20.25 v2(-5.6,20.85) ; R8.1@-4.611,20.786 -4.676,20.85 v2(-5.6,20.85) ; C11.2@-4.611,21.736 -5.014,21.736 -5.6,21.15 v2(-5.6,20.85)
  Bottom Layer w0.25: U11.0@-15.7,19.825 U11.1@-14.125,19.825 ; U10.0@-15.6,14.1 -14.875,14.825 U10.1@-14.125,14.825 C4.1@-13.075,14.825 ; -14.625,8.2 U5.2@-14.625,8.95 ; -5.161,19.811 -5.939,19.811 -6.4,19.35 -6.4,17.55 -5.786,16.936 C8.2@-4.611,16.936 R9.1@-4.611,17.886 ; U17.1@15.7,13.075 16.1,12.675 TP3.0@16.1,9.85
  Bottom Layer w0.3: v1(-23.7,16.65) L5.3@-22.2,16.65 L15.3@-20.7,16.65 ; R7.1@-2.6,24.5 v1(-2.6,25.15) ; C37.1@-1.2,11.49 C38.1@-0.2,11.49 0.59,11.49 1,11.9 1,13.8 1.35,14.15 v2(2.2,14.15)
  Bottom Layer w0.35: v1(-20.7,19.75) -19.55,19.75 C32.2@-18.8,20.5
  Bottom Layer w0.4: C14.2@-12.85,5.15 -12.15,5.15 -11.9,5.4 -11.9,7.35 v1(-11.4,7.85) ; v2(2.2,14.15) 2.2,14.4 2.5,14.7 3.3,14.7 3.55,14.95 C7.2@3.55,16.25 ; TP3.0@16.1,9.85 v2(19,9.85)
  Bottom Layer w0.5: C18.2@-13.39,10.15 -11.85,10.15 -11.4,9.7 v1(-11.4,7.85) ; v1(-5.2,25.85) -4.25,25.85 -3.987,26.113 DSM_SBUS_RSSI.5@-3.987,29.1 -3.987,31.613 -3.45,32.15 DSM_SBUS_RSSI.M2@-2.137,32.15 ; DSM_SBUS_RSSI.M2@-2.087,32.2 SPI5.M1@-0.25,32.2 ; v2(11.9,17.847) 12.85,16.897 C31.2@12.85,14.775 ; C47.1@15.264,18.386 15.264,19.014 v1(15.6,19.35) ; v2(18.4,2.65) C36.2@20.09,2.65 C35.2@20.09,3.65 20.09,4.515 C6.1@20.575,5 ; ADC3/5.4@23.325,29.1 24.25,29.1 v2(24.6,28.75)
  Bottom Layer w0.6: DSU7.M2@-32.6,19.225 v2(-32.525,19.225) -29.875,19.225 -29.55,18.9 DSU7.6@-29.55,17.375
  Bottom Layer w0.7: pad.0@-14.25,28.5 -11.4,28.5 -10.863,29.037 DSM_SBUS_RSSI.M1@-10.863,32.15
  Bottom Layer w0.8: ADC3/5.M2@25.175,32.25 pad.8@27.46,32.25
  other v1: 17.9,-3.7 24.125,-3.7 -32.6,-3.05 19.75,-1.35 -25.3,1.05 -33.2,5.45 -32.4,5.45 -29.7,5.725 -33.2,6.05 -32.4,6.05 -33.2,6.75 -32.4,6.75 -23.4,7.3 -10.8,7.85 -10.2,7.85 -19.236,7.886 -14.675,7.95 -14.1,7.95 -19.236,8.386 12.012,8.692 -19.236,8.886 -23.1,9 -29.7,9.25 -19.236,9.386 -19.2,9.95 -23.1,10.85 -23.1,12.55 6.95,18.15 -22.2,19.75 7.025,22.35 -29.7,22.75 -23.1,25.65 -9,25.85 -23.1,27.15 -32.8,32.65 -32.1,32.65 -31.4,32.65 -29.7,32.725
  other v2: -29.7,-4.25 23.2,0.35 21.6,0.85 22.4,0.85 23.8,0.95 -25.2,3.85 -10.3,16.55 12.7,17.85 21.5,20.65 21.5,21.35 19.8,21.75 20.7,21.75 -33.1,23.95 -32.3,23.95 9.9,29.05 9.9,29.95 17.7,32.95
  other v3: -15.6,14.3 -15.6,15 -15.6,18.55 -15.6,19.125
  other v4: -22.7,21.6
  other v5: -27.1,-4.6 -19.5,-4.6 -27.1,0.8 -19.5,0.8 25.9,18.8 1.1,19.35 0.5,19.95 1.7,19.95 1.1,20.55 25.9,30.8 -26.9,33.1
  other v7: 25.9,9.7
  other v8: -27.2,26.1
GPS1_RX: CON3.62 R18.7 | length 43.5
  Top Layer w0.15: v1(0.4,8.15) 0.748,7.802 CON3.62@0.748,6.092
  S1 w0.15: v4(-24.6,20.3) -24.5,20.4 -24.5,21.8 -23.4,22.9 -19.276,22.9 -17.7,21.324 -17.7,19.049 -17.5,18.849 -17.5,11.924 -15.826,10.25 -14.4,10.25 -13.375,9.225 0.375,9.225 0.7,8.9 0.7,8.45 v1(0.4,8.15)
  Bottom Layer w0.15: R18.7@-25.925,19.125 -25.325,19.125 -24.975,19.475 -24.975,19.925 v4(-24.6,20.3)
GPS1_RX1_PORT: GPS1.3 R18.2 | length 14.7
  Top Layer w0.2: v4@-27.896,17.346 v4(-27.9,17.35) -26.65,17.35 -25.7,16.4 -25.7,12.695 -24.405,11.4 -22.5,11.4 -22.3,11.2 GPS1.3@-20.506,11.2
  Bottom Layer w0.2: v4(-27.9,17.35) -27.9,18.95 -27.725,19.125 R18.2@-27.025,19.125
GPS1_TX: CON3.61 R18.8 | length 42.4
  Top Layer w0.15: v1(-0.6,8.6) -0.6,8.35 0.248,7.502 CON3.61@0.248,6.092
  S1 w0.15: v4(-24.1,19.8) -24,19.9 -24,21.876 -23.276,22.6 -19.4,22.6 -18,21.2 -18,18.924 -17.8,18.724 -17.8,11.8 -15.95,9.95 -14.524,9.95 -13.499,8.925 -1.125,8.925 -0.8,8.6 v1(-0.6,8.6)
  Bottom Layer w0.15: R18.8@-25.925,18.5 -25.25,18.5 -24.675,19.075 -24.675,19.425 -24.3,19.8 v4(-24.1,19.8)
GPS1_TX1_PORT: GPS1.2 R18.1 | length 13.3
  Top Layer w0.2: v4(-27.1,16.8) -26.75,16.8 -26.05,16.1 -26.05,12.55 -23.8,10.3 -22.6,10.3 -22.204,9.904 GPS1.2@-20.506,9.904
  Bottom Layer w0.2: v4(-27.1,16.8) -26.825,17.075 R18.1@-26.825,18.5
GPS1_VCC: GPS1.1 L3.2 | length 18.8
  Top Layer w0.4: v2(-26.9,12.55) -24.2,9.85 -22.95,9.85 -21.754,8.654 GPS1.1@-20.506,8.654
  S1 w0.6: v2(-26.9,12.55) -26.6,12.85 -26.6,15.95 -24,18.55 v2(-24,19.1)
  Bottom Layer w0.5: v2(-26.9,12.55) L3.2@-23.9,12.55
GPS2_VCC: L4.2 UART4.1 | length 17.6
  Top Layer w0.6: UART4.1@-32.75,17.375 v2(-31.275,17.375)
  S2 w0.6: v2(-31.275,17.375) -32.375,17.375 -32.8,16.95 -32.8,11.75 -31.9,10.85 v2(-27,10.85)
  Bottom Layer w0.6: v2(-27,10.85) L4.2@-23.9,10.85
I2C1_SCL: CON3.73 R20.1 U17.3 | length 15.1
  Top Layer w0.2: v3(6,7.75) 6,7.35 6.248,7.102 CON3.73@6.248,6.092
  S1 w0.2: v3(6,7.75) 6,9.5 6.35,9.85 12.2,9.85 v3(14.2,11.85)
  Bottom Layer w0.2: v3(6,7.75) R20.1@6,8.59 ; v3(14.2,11.85) 14.4,11.85 14.7,12.15 U17.3@14.7,13.075
I2C1_SDA: CON3.74 R33.1 U17.4 | length 16.7
  Top Layer w0.15: CON3.74@6.748,6.092 6.748,7.298 6.9,7.45 v3(6.9,7.9)
  S1 w0.2: v3(6.9,7.9) 6.9,9.1 7.3,9.5 12.5,9.5 14.15,11.15 14.6,11.15 14.8,11.35 14.8,12.45 14.6,12.65 13.9,12.65 v3(13.5,12.25)
  Bottom Layer w0.15: v3(6.9,7.9) 6.9,8.49 R33.1@7,8.59
  Bottom Layer w0.2: v3(13.5,12.25) 13.5,12.85 13.725,13.075 U17.4@14.2,13.075
I2C1_VCC: I2C1.1 L15.2 | length 24.8
  Top Layer w0.6: v2(-21.425,-2.175) I2C1.1@-21.425,-0.5
  POWER w0.6: v2(-21.425,-2.175) -19.075,-2.175 -18.3,-1.4 -18.3,14.8 v2(-18.9,15.4)
  Bottom Layer w0.5: L15.2@-20.7,15.85 -20.7,15.3 -20.4,15 -19.3,15 v2(-18.9,15.4)
I2C2_SCL: CON3.75 R35.1 | length 36.7
  Top Layer w0.2: v3(5.4,0.65) 5.847,1.097 5.847,2.315 5.525,2.638 5.525,3.822 6.353,4.65 6.7,4.65 7.248,5.198 CON3.75@7.248,6.092
  S1 w0.2: v3(-20.9,1.05) -20.645,1.05 -19.545,2.15 -7.605,2.15 -5.655,0.2 -4.65,0.2 -3.1,-1.35 3.4,-1.35 v3(5.4,0.65)
  Bottom Layer w0.15: R35.1@-21.89,1.05 v3(-20.9,1.05)